# Altium PCB HIL_RIG_REV_1_2.PcbDoc (part 10 of 14)
Units mil, origin at the board's own origin, x right, y up, seen from the top; angles counter-clockwise.
Board outline 9845 x 7590 mil, 6 copper layers (Top Layer, Int1 (GND), Int2 (PWR), Int3 (Sign), Int4 (GND), Bottom Layer), stack 60.566 mil thick; 1465 components, 731 nets, 4058 pads, 3944 vias.
Unrouted connection lines stored in the file: 1754.
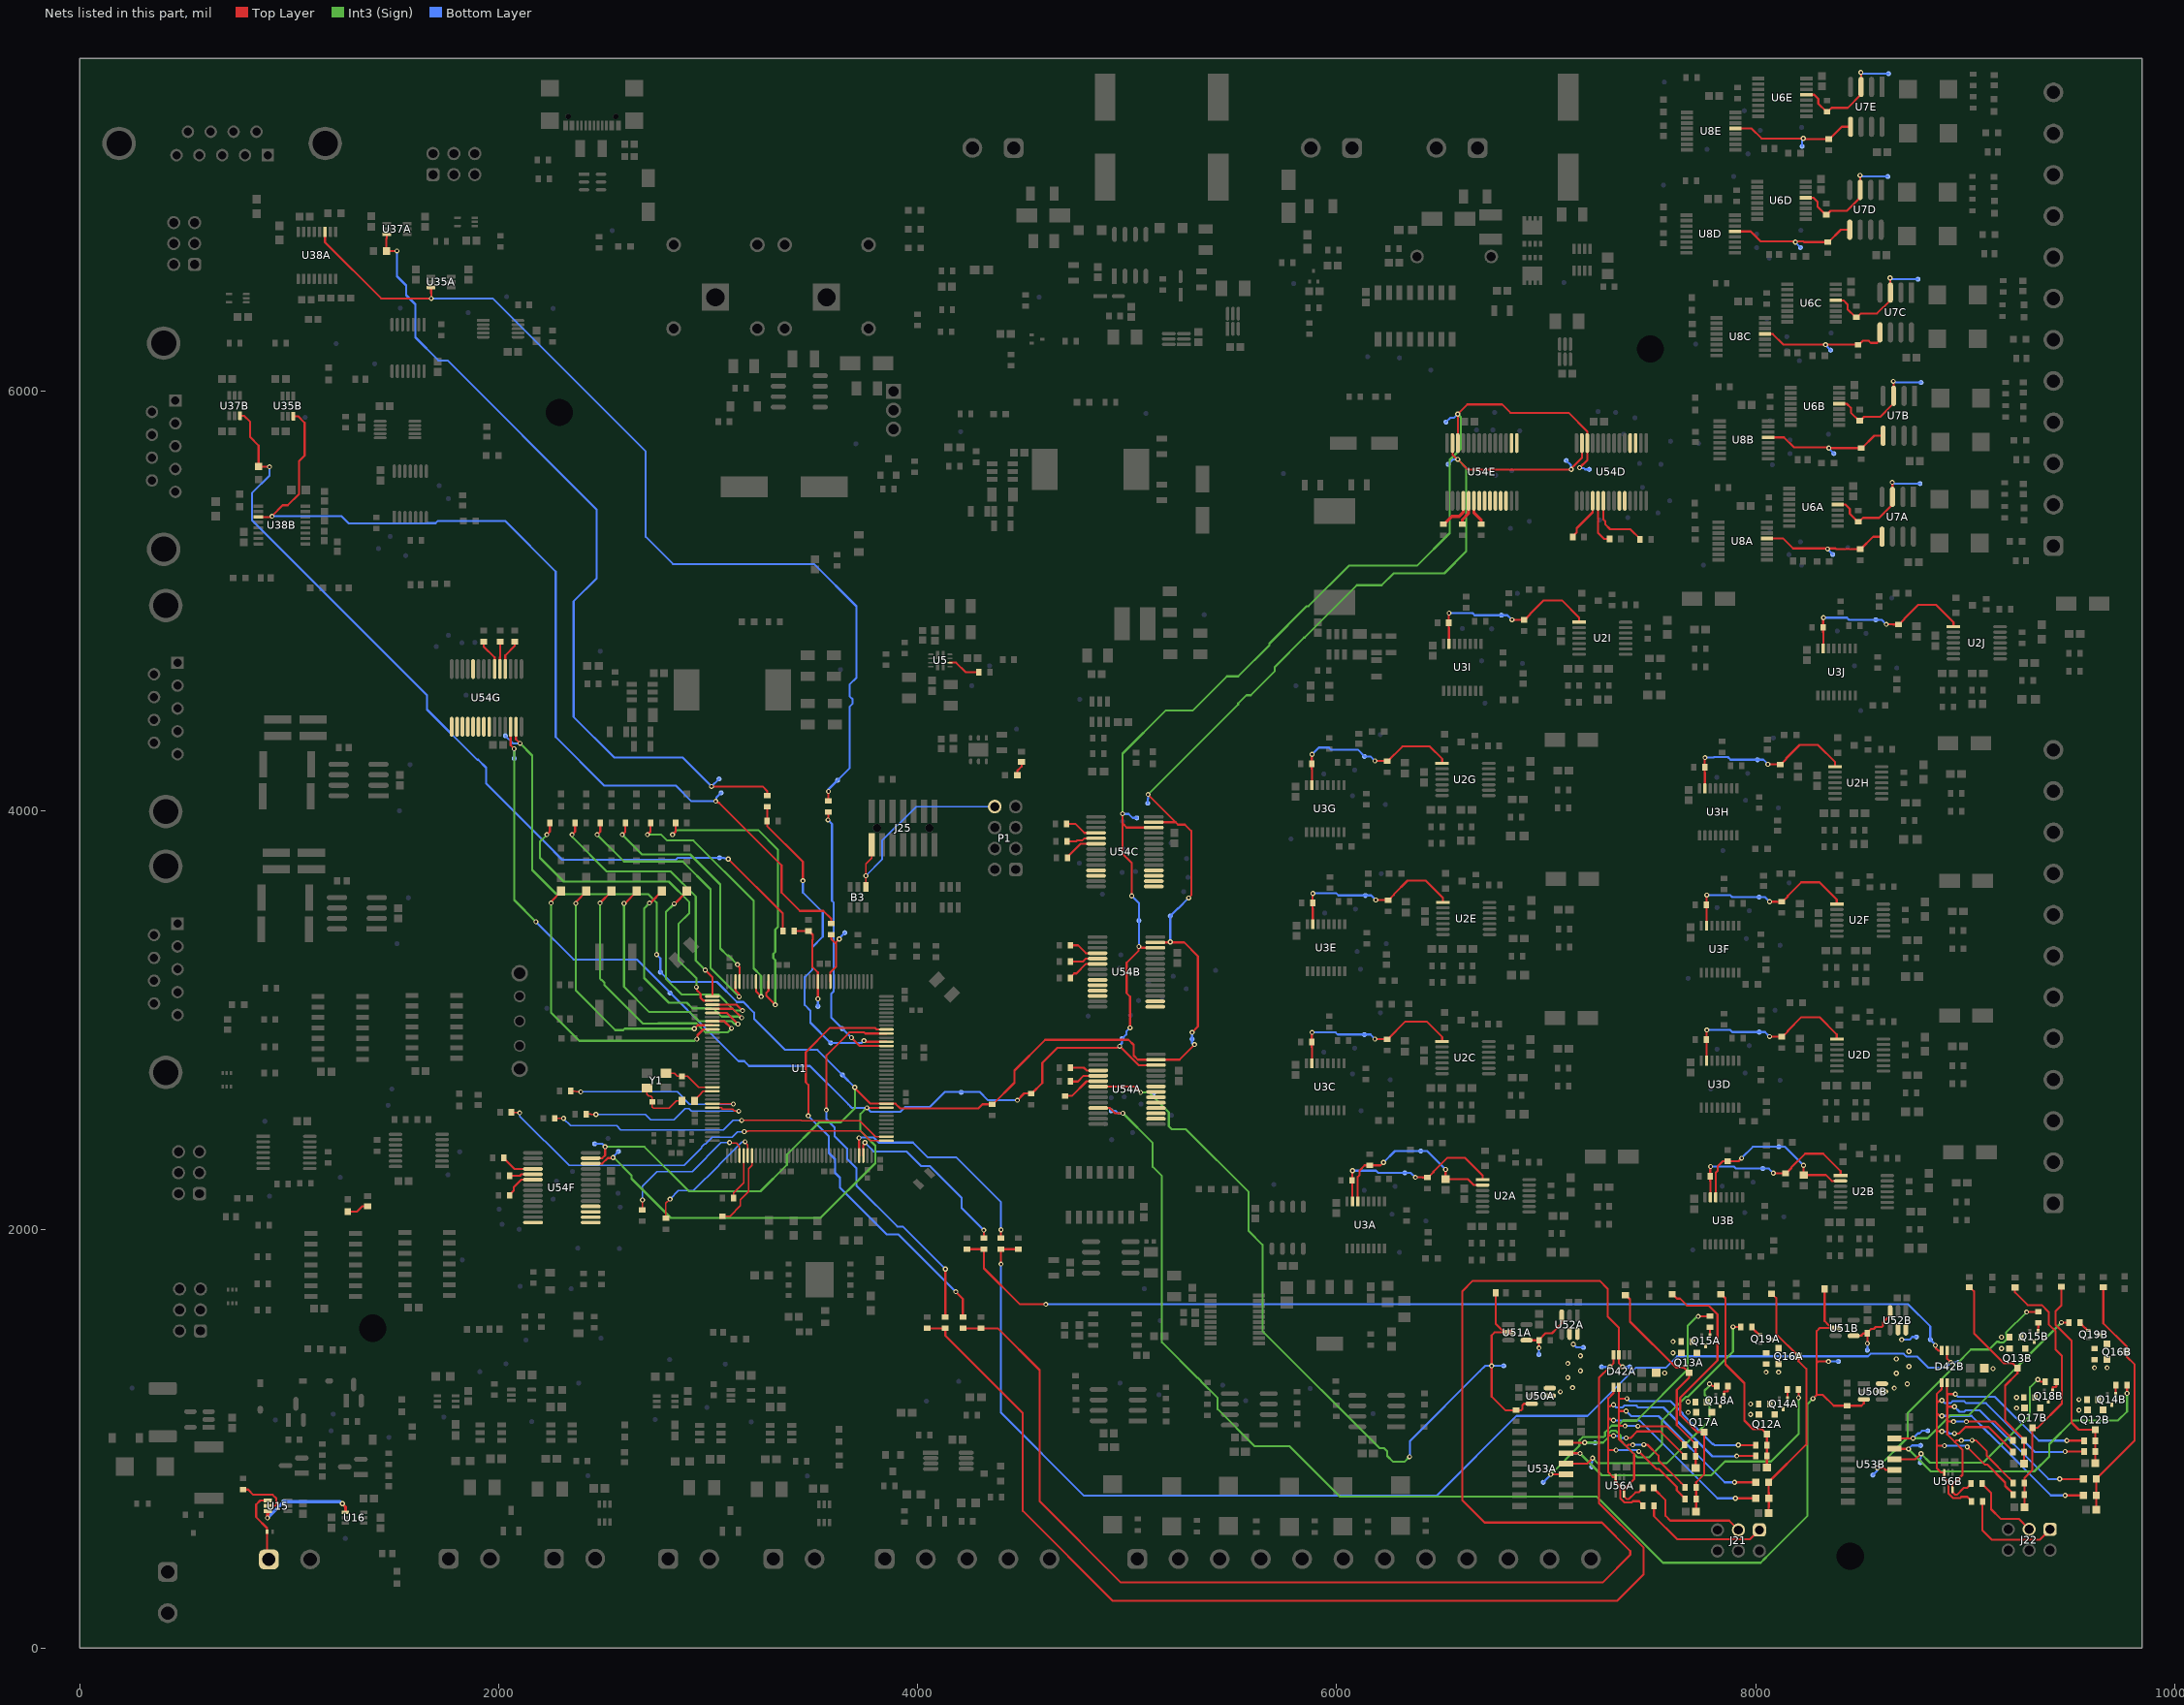
[diagram p14: the nets of this part, all layers, seen from the top]

## Via types
v1: diameter 24, hole 12, Top Layer to Bottom Layer, tented both sides, 3944 vias

## Nets (pads, with @x,y where several pads share a name; then routed paths per layer and width w, separated by ;. In a path a pad name is that pad's centre, name@x,y a point inside that pad or via, vN(x,y) a via of type N, cw(c..) or ccw(c..) an arc to the next point about the centre after c; other vN are vias at no path point) (continued)
GreenLEDAnodeD: D47D.2 R189D.2 | length 104.5
  Top Layer w10: D47D.2@1280,2084.47 1323.73,2084.47 1349.03,2109.77 R189D.2@1374,2109.77
HSE_OSC_IN: C18.1 U1.23 Y1.1 | length 249.3
  Top Layer w6: Y1.1@2798.34,2745.39 2839.24,2745.39 2853.83,2730.79 C18.1@2875.07,2730.79 2901.73,2730.79 2953.8,2678.72 U1.23@3020,2678.72
HSE_OSC_NEG: C19.1 R1.1 Y1.3 | length 266.6
  Top Layer w6: Y1.3@2707.79,2674.52 2707.79,2644.87 2715.61,2637.05 2725.35,2637.05 2733.16,2629.24 C19.1@2733.16,2608 2733.16,2583.86 2739.02,2578 2813.37,2578 2849.33,2613.95 R1.1@2875.54,2613.95
HSE_OSC_OUT: R1.2 U1.24 | length 106.4
  Top Layer w6: R1.2@2934.6,2613.95 2934.6,2617.89 2956,2639.29 2956.82,2639.29 2976.57,2659.04 U1.24@3020,2659.04
I2C_1K_BJT_BA: Q19A.1 R171A.1 | length 56.7
  Top Layer w10: R171A.1@7982,1534 7982,1530.98 8004.63,1508.35 8005.36,1508.35 8018.02,1495.68 Q19A.1@8021.02,1495.68
I2C_1K_BJT_BB: Q19B.1 R171B.1 | length 56.7
  Top Layer w10: R171B.1@9549.6,1555 9549.6,1551.98 9572.23,1529.35 9572.96,1529.35 9585.63,1516.68 Q19B.1@9588.62,1516.68
I2C_1K_PMOS_DA: C176A.2 Q16A.3 R174A.2 R175A.2 R179C.1 | length 1191.3
  Top Layer w10: C176A.2@8062,646 8062,672.7 8063.53,674.23 R175A.2@8063.53,716 8063.53,741.96 8062.58,742.9 R174A.2@8062.58,792 8062.58,793.05 8242,972.47 8242,1333.34 8204.49,1370.85 Q16A.3@8204.49,1394.6 8098.63,1500.46 8098.63,1671.65 8078.5,1691.77 R179C.1@8076,1691.77
I2C_1K_PMOS_DB: C176B.2 Q16B.3 R174B.2 R175B.2 R179G.1 | length 1199.8
  Top Layer w10: C176B.2@9626.61,662 9626.61,688.7 ; 9626.58,688.73 R175B.2@9626.58,730 R174B.2@9626.58,808 9626.58,809.05 9809.6,992.08 9809.6,1354.34 9772.09,1391.85 Q16B.3@9772.09,1415.6 9772.09,1439.35 9660,1551.44 R179G.1@9660,1724
I2C_1K_PMOS_GA: Q16A.1 Q19A.3 R168A.1
I2C_1K_PMOS_GB: Q16B.1 Q19B.3 R168B.1
I2C_2K2_BJT_BA: Q14A.1 R162A.1 | length 43.1
  Top Layer w10: Q14A.1@8151.68,1192.98 8151.68,1210.98 8152,1211.3 R162A.1@8152,1236
I2C_2K2_BJT_BB: Q14B.1 R162B.1 | length 43.1
  Top Layer w10: Q14B.1@9719.29,1213.98 9719.29,1231.98 9719.6,1232.3 R162B.1@9719.6,1257
I2C_2K2_PMOS_DA: C173A.2 Q12A.3 R164A.2 R165A.2 R179D.1 | length 945
  Top Layer w10: R179D.1@7834,1689.77 7836.5,1689.77 7856.37,1669.91 7856.37,1355.63 7946.82,1265.18 7946.82,1087.18 7988.25,1045.75 8030.25,1045.75 Q12A.3@8054,1022 R164A.2@8054,970 R165A.2@8054,918 C173A.2@8054,862
I2C_2K2_PMOS_DB: C173B.2 Q12B.3 R164B.2 R165B.2 R179H.1 | length 978.9
  Top Layer w10: R179H.1@9460,1725.77 9460,1637.4 9432.1,1609.51 9432.1,1543.61 9508,1467.71 9508,1078 9543,1043 Q12B.3@9621.6,1043 R164B.2@9621.6,991 R165B.2@9621.6,939 C173B.2@9621.6,883
I2C_2K2_PMOS_GA: Q12A.1 Q14A.3 R160A.1
I2C_2K2_PMOS_GB: Q12B.1 Q14B.3 R160B.1
I2C_4K7_BJT_BA: Q18A.1 R170A.1 | length 60.8
  Top Layer w10: Q18A.1@7850,1208 7850,1226 7865.99,1226 7868,1228.01 R170A.1@7868,1252
I2C_4K7_BJT_BB: Q18B.1 R170B.1 | length 60.8
  Top Layer w10: Q18B.1@9417.6,1229 9417.6,1247 9433.59,1247 9435.6,1249.01 R170B.1@9435.6,1273
I2C_4K7_PMOS_DA: C175A.2 Q17A.3 R172A.2 R173A.2 R179E.1 | length 1352.9
  Top Layer w10: R179E.1@7602,1689.54 7604.5,1689.54 7624.63,1669.42 7639.23,1669.42 7672.53,1636.11 7775.68,1636.11 7818,1593.79 7818,1374 7640,1196 7640,1114 7722,1032 Q17A.3@7754,1032 7754,829.99 7716,791.99 R172A.2@7716,768 R173A.2@7716,712 C175A.2@7716,652
I2C_4K7_PMOS_DB: C175B.2 Q17B.3 R172B.2 R173B.2 R179I.1 | length 1269.4
  Top Layer w10: R179I.1@9238,1721.77 9238,1699.3 9298.8,1638.5 9365.43,1638.5 9398.77,1605.16 9398.77,1547.25 9432.1,1513.91 9432.1,1426.61 9462.07,1396.64 9462.07,1168.07 9347,1053 Q17B.3@9321.6,1053 9321.6,850.99 9283.6,812.99 R172B.2@9283.6,789 R173B.2@9283.6,733 C175B.2@9283.6,673
I2C_4K7_PMOS_GA: Q17A.1 Q18A.3 R169A.1
I2C_4K7_PMOS_GB: Q17B.1 Q18B.3 R169B.1
I2C_10K_BJT_BA: Q15A.1 R163A.1 | length 39.3
  Top Layer w10: Q15A.1@7781.68,1492.98 7781.68,1510.98 7781.73,1511.03 7782,1511.03 R163A.1@7782,1532
I2C_10K_BJT_BB: Q15B.1 R163B.1 | length 39.3
  Top Layer w10: Q15B.1@9349.29,1513.98 9349.29,1531.98 9349.34,1532.03 9349.6,1532.03 R163B.1@9349.6,1553
I2C_10K_PMOS_DA: C174A.2 Q13A.3 R166A.1 R167A.1 R179F.1 | length 1037.3
  Top Layer w10: R179F.1@7378,1685.77 7380.5,1685.77 7400.63,1665.65 7400.63,1559.37 7620.74,1339.26 7658.85,1339.26 Q13A.3@7682.6,1315.51 7682.6,1291.76 7624,1233.17 7624,1065.02 7714,975.02 R167A.1@7714,916 C174A.2@7714,860
I2C_10K_PMOS_DB: C174B.2 Q13B.3 R166B.1 R167B.1 R179J.1 | length 1025
  Top Layer w10: R179J.1@9020,1723.77 9022.5,1723.77 9042.63,1703.65 9042.63,1503.37 9185.74,1360.26 9226.45,1360.26 Q13B.3@9250.2,1336.51 9250.2,1312.76 9191.6,1254.17 9191.6,1086.02 9281.6,996.02 R167B.1@9281.6,937 C174B.2@9281.6,881
I2C_10K_PMOS_GA: Q13A.1 Q15A.3 R161A.1
I2C_10K_PMOS_GB: Q13B.1 Q15B.3 R161B.1
I2C_DMUX_Y0A: R171A.2 TP83A.1 U53A.15 | length 1380.7
  Top Layer w10: U53A.15@7096,981 U53A.15@7095.22,981 7183,981 v1(7184,982) ; v1(7892,1534) R171A.2@7928.72,1534
  Int3 (Sign) w10: v1(7184,982) 7271.77,982 7297,1007.23 7297,1024.3 7311.65,1038.94 7332.36,1038.94 7357,1014.3 7357,989.96 7435.96,911 7492.36,911 7552.71,971.35 7552.71,1086.06 7667.64,1201 7677,1201 7892,1416 v1(7892,1534)
  Bottom Layer w10: v1(7184,982) 7212.19,982 7214.19,980 TP83A.1@7234,980
I2C_DMUX_Y0B: R171B.2 TP83B.1 U53B.15 | length 1148.3
  Top Layer w10: U53B.15@8662,1002 U53B.15@8662.82,1002 8750.6,1002 v1(8751.6,1003) ; v1(9459.6,1555) R171B.2@9496.32,1555
  Int3 (Sign) w10: v1(8751.6,1003) 8821,1003 8930,1112 9016.6,1112 v1(9459.6,1555)
  Bottom Layer w10: v1(8751.6,1003) 8774.6,1026 8782.46,1026 8794.46,1038 TP83B.1@8822,1038
I2C_DMUX_Y1A: R162A.2 TP80A.1 U53A.14 | length 1491.2
  Top Layer w10: U53A.14@7094,931 7161,931 v1(7162,930) ; v1(8205.28,1196) R162A.2@8205.28,1236
  Int3 (Sign) w10: v1(7162,930) 7266,826 7788,826 7854,892 8074,892 8205.28,1023.28 v1(8205.28,1196)
  Bottom Layer w10: TP80A.1@7120,930 v1(7162,930)
I2C_DMUX_Y1B: R162B.2 TP80B.1 U53B.14 | length 1499.5
  Top Layer w10: U53B.14@8662.82,952 8728.6,952 v1(8729.6,951) ; v1(9772.89,1217) R162B.2@9772.89,1257
  Int3 (Sign) w10: v1(8729.6,951) 8836.6,844 9330,844 9401.6,915.6 9401.6,973.6 9516,1088 9730.6,1088 9772.89,1130.28 v1(9772.89,1217)
  Bottom Layer w10: v1(8729.6,951) 8746.6,968 TP80B.1@8788,968
I2C_DMUX_Y2A: R170A.2 TP82A.1 U53A.13 | length 1069.5
  Top Layer w10: U53A.13@7094,881 7195,881 v1(7222,908) ; v1(7780,1262) 7783.75,1262 7793.75,1252 R170A.2@7814.72,1252
  Int3 (Sign) w10: v1(7222,908) 7247,883 7575,883 7780,1088 7780,1189.14 7774.14,1195 7771.64,1195 7757,1209.64 7757,1230.36 7777.32,1250.68 7777.32,1259.32 v1(7780,1262)
  Bottom Layer w10: TP82A.1@7218,866 7218,885.81 7220.19,888 7220.19,906.19 v1(7222,908)
I2C_DMUX_Y2B: R170B.2 TP82B.1 U53B.13 | length 1040.9
  Top Layer w10: U53B.13@8662.82,902 8762.6,902 v1(8789.6,929) ; v1(9347.6,1283) 9351.35,1283 9361.35,1273 R170B.2@9382.32,1273
  Int3 (Sign) w10: v1(8789.6,929) 8832.6,886 9086,886 9310,1110 9310,1245.4 v1(9347.6,1283)
  Bottom Layer w10: TP82B.1@8786,886 8786,905.81 8789.19,909 8789.19,928.59 v1(8789.6,929)
I2C_DMUX_Y3A: R163A.2 TP81A.1 U53A.12 | length 1346.9
  Top Layer w10: v1(7022,830) 7023,831 U53A.12@7095.22,831 ; v1(7726,1584) 7727.28,1585.28 R163A.2@7782,1585.28
  Int3 (Sign) w10: v1(7022,830) 7159,967 7159,992.36 7174.64,1008 7275.14,1008 7281,1013.86 7281,1030.92 7313.08,1063 7343.61,1063 7366.67,1086.06 7431.42,1086.06 7676,1330.64 7676,1540.1 7713.86,1577.96 7716.17,1577.96 7722.21,1584 v1(7726,1584)
  Bottom Layer w10: TP81A.1@6986,792 7022,828 v1(7022,830)
I2C_DMUX_Y3B: R163B.2 TP81B.1 U53B.12 | length 1300.2
  Top Layer w10: v1(8581.6,861) 8611.38,861 8620.38,852 U53B.12@8662.82,852 ; v1(9293.6,1605) 9294.89,1606.28 R163B.2@9349.6,1606.28
  Int3 (Sign) w10: v1(8581.6,861) 8726.6,1006 8726.6,1123.26 8957.22,1353.87 8957.22,1355.22 9028,1426 9114.6,1426 9151.78,1463.18 9160.07,1463.18 9163.25,1460 9183.96,1460 9198.6,1474.64 9198.6,1495.36 9195.42,1498.54 9195.42,1506.82 v1(9293.6,1605)
  Bottom Layer w10: TP81B.1@8559.6,827 8579.41,846.81 8579.41,858.81 v1(8581.6,861)
I2C_DUT_CH1.DUT_SCL: J21.3 R157A.2 | length 533.1
  Top Layer w10: R157A.2@7514,766 7514,762.98 7570,706.98 7570,632 7592.85,609.15 7873.5,609.15 J21.3@7918,564.65
I2C_DUT_CH1.DUT_SDA: J21.1 R159A.2 | length 616.2
  Top Layer w10: R159A.2@7515.28,680 7515.28,630.72 7625.84,520.16 7973.5,520.16 J21.1@8018,564.65
I2C_DUT_CH2.DUT_SCL: J22.3 R157B.2 | length 362.3
  Top Layer w10: R157B.2@9081.6,787 9081.6,783.98 9124,741.58 9124,664 9170,618 9256,618 J22.3@9306,568
I2C_DUT_CH2.DUT_SDA: J22.1 R159B.2 | length 500.4
  Top Layer w10: R159B.2@9082.89,701 9082.89,563.11 9128,518 9356,518 J22.1@9406,568
I2C_DUT_VCCA: Q12A.2 Q13A.2 Q16A.2 Q17A.2 R153A.1 R160A.2 R161A.2 R168A.2 R169A.2 TP76A.1 U50A.5 U50A.6 U52A.5 U52A.6 | length 54.6
  Bottom Layer w10: v1(7130,1452) 7146,1436 TP76A.1@7178,1436
  other v1: 7976,1116 7678,1126 7976,1166 7678,1176 7068,1224 7126,1244 7104,1292 7566,1314 8050,1318 8110,1318 7164,1324 7104,1360 7164,1396 7606,1410 7606,1464
I2C_DUT_VCCB: Q12B.2 Q13B.2 Q16B.2 Q17B.2 R153B.1 R160B.2 R161B.2 R168B.2 R169B.2 TP76B.1 U50B.5 U50B.6 U52B.5 U52B.6 | length 75.8
  Bottom Layer w10: v1(8697.6,1473) 8735.19,1473 8748.19,1486 TP76B.1@8768,1486
  other v1: 9543.6,1137 9245.6,1147 9543.6,1187 9245.6,1197 8662,1242 8724,1262 8671.6,1313 9133.6,1335 9617.6,1339 9677.6,1339 8731.6,1345 8671.6,1381 8731.6,1417 9173.6,1431 9173.6,1485
I2C_SCL2A: D42A.6 R157A.1 R164A.1 R166A.2 R172A.1 R174A.1 U56A.5 | length 2972.8
  Top Layer w10: 7346.82,1192 v1(7386,1192) ; D42A.6@7346.82,1246.46 7346.82,1191.52 7347,1191.34 7347,1132 ; v1(7377.03,1061.06) 7355.91,1061.06 7347,1069.97 ; v1(7382,1132) 7347,1132 ; v1(7414,971) 7391.39,971 7383.5,963.11 ; v1(7438,1059.97) 7575.77,1059.97 7660.72,975.02 R166A.2@7660.72,972 ; R157A.1@7460.72,766 7460.72,762.98 7442.09,744.36 7426.36,744.36 7393.72,711.72 7385.44,711.72 7371.68,725.48 U56A.5@7371.68,735.32 7371.68,759.07 7420,807.39 7420,926.61 7383.5,963.11 ; v1(7466,972) 7466.09,971.91 7484.09,971.91 7536.34,919.66 7536.34,897.66 7644.09,789.91 7644.09,789.64 7662.72,771.02 R172A.1@7662.72,768 ; v1(7900,792) R174A.1@8001.42,792 ; v1(7918,970) R164A.1@8000.72,970 ; 7347,1069.97 7347,999.61 7383.5,963.11 ; 7347,1069.97 7347,1132
  Bottom Layer w10: v1(7377.03,1061.06) 7377.09,1061 7436.97,1061 v1(7438,1059.97) ; v1(7382,1132) 7406,1108 7536.63,1108 7852.63,792 v1(7900,792) ; v1(7386,1192) 7386.86,1192 7398.86,1180 7594,1180 7653,1121 7653,1115.64 7793.64,975 7799,975 7804,970 v1(7918,970) ; v1(7414,971) 7414.5,971.5 7465.5,971.5 v1(7466,972)
I2C_SCL2B: D42B.6 R157B.1 R164B.1 R166B.2 R172B.1 R174B.1 U56B.5 | length 2973.9
  Top Layer w10: 8914.42,1213 v1(8953.6,1213) ; D42B.6@8914.42,1267.46 8914.42,1212.52 8914.6,1212.34 8914.6,1153 ; v1(8944.63,1082.06) 8923.51,1082.06 8914.6,1090.97 ; v1(8949.6,1153) 8914.6,1153 ; v1(8981.6,992) 8958.99,992 8951.1,984.11 ; v1(9006,1082) 9142.34,1082 9228.32,996.02 R166B.2@9228.32,993 ; R157B.1@9028.32,787 9028.32,783.98 9009.7,765.36 8993.96,765.36 8961.33,732.72 8953.04,732.72 8939.29,746.48 U56B.5@8939.29,756.32 8939.29,780.07 8987.6,828.39 8987.6,947.61 8951.1,984.11 ; v1(9033.6,993) 9033.7,992.91 9051.7,992.91 9103.94,940.66 9103.94,918.66 9211.7,810.91 9211.7,810.64 9230.32,792.02 R172B.1@9230.32,789 ; v1(9452,808) R174B.1@9565.42,808 ; v1(9485.6,991) R164B.1@9568.32,991 ; 8914.6,1090.97 8914.6,1020.61 8951.1,984.11 ; 8914.6,1090.97 8914.6,1153
  Bottom Layer w10: v1@8944.66,1082.03 v1(9006,1082) ; v1(8949.6,1153) 8973.6,1129 8996.36,1129 9003.36,1136 9070,1136 9398,808 v1(9452,808) ; v1(8953.6,1213) 8954.46,1213 8966.46,1201 9141.6,1201 9351.6,991 v1(9485.6,991) ; v1(8981.6,992) 8982.1,992.5 9033.1,992.5 v1(9033.6,993)
I2C_SCL_CH1: R156.2 U1.100 | length 2044.8
  Top Layer w10: v1(3478,2542) 3478,2689.89 3466,2701.89 3466,2846 3582,2962 3796,2962 3803.69,2954.31 U1.100@3850.71,2954.31 ; v1(4182,1702) 4216,1668 R156.2@4216,1580.64
  Bottom Layer w10: v1(3478,2542) 3576,2444 3576,2364 3606,2334 3606,2269.36 3629,2246.36 3629,2199 3852.16,1975.84 3908.16,1975.84 v1(4182,1702)
I2C_SCL_CH2: R207.2 U1.69 | length 1063
  Top Layer w10: v1(3720,2436) 3720.79,2435.21 U1.69@3720.79,2351.95 ; R207.2@4398,1958.64 v1(4398,1998)
  Bottom Layer w10: v1(3720,2436) 3721.77,2437.77 3736.41,2437.77 3737.64,2439 3789,2439 3814,2414 3977.27,2414 4047.27,2344 4184,2344 4398,2130 v1(4398,1998)
I2C_SDA2A: D42A.5 R159A.1 R165A.1 R167A.2 R173A.1 R175A.1 U56A.3 | length 3289.1
  Top Layer w10: D42A.5@7321.23,1246.46 7321.23,1216.8 7297,1192.58 7297,1154.97 ; v1(7322,1013.94) 7319.94,1016 7302,1016 7297,1021 ; v1(7322,1088) 7319.32,1090.68 7309.29,1090.68 7305,1094.97 7297,1094.97 ; v1(7322,1162) 7319.32,1159.32 7309.35,1159.32 7305,1154.97 7297,1154.97 ; v1(7334,946) 7299,946 7297,948 ; v1(7382,1004) 7403.36,1004 7434.32,1034.97 7544.77,1034.97 7660.72,919.02 R167A.2@7660.72,916 ; v1(7442.58,939.73) 7442.58,939.39 7525.87,856.1 7537.9,856.1 7624,770 7624,753.74 7662.72,715.02 R173A.1@7662.72,712 ; R159A.1@7462,680 7462,683.02 7443.38,701.64 7414.05,701.64 7408.14,695.72 7375.21,695.72 7353.76,717.17 7353.76,772.8 7332.31,794.25 U56A.3@7332.31,818 7318.41,818 7297,839.41 7297,948 ; v1(7904,716) R175A.1@8001.42,716 ; v1(7910,918) R165A.1@8000.72,918 ; 7297,948 7297,1021 ; 7297,1021 7297,1094.97 ; 7297,1094.97 7297,1154.97
  Bottom Layer w10: v1(7322,1013.94) 7322.97,1012.97 7350,1012.97 7358.97,1004 v1(7382,1004) ; v1(7322,1088) 7446,1088 7818,716 v1(7904,716) ; v1(7322,1162) 7322.86,1162 7334.86,1150 7364.64,1150 7373.64,1159 7430.36,1159 7439.36,1150 7560,1150 7794,916 7908,916 v1(7910,918) ; v1(7334,946) 7432.53,946 7438.79,939.73 v1(7442.58,939.73)
I2C_SDA2B: D42B.5 R159B.1 R165B.1 R167B.2 R173B.1 R175B.1 U56B.3 | length 3290.2
  Top Layer w10: D42B.5@8888.83,1267.46 8888.83,1237.8 8864.6,1213.58 8864.6,1175.97 ; v1(8889.6,1034.94) 8887.55,1037 8869.6,1037 8864.6,1042 ; v1(8889.6,1109) 8886.92,1111.68 8876.89,1111.68 8872.6,1115.97 8864.6,1115.97 ; v1(8889.6,1183) 8886.93,1180.32 8876.96,1180.32 8872.6,1175.97 8864.6,1175.97 ; v1(8901.6,967) 8866.6,967 8864.6,969 ; v1(8949.6,1025) 8970.96,1025 9001.93,1055.97 9112.37,1055.97 9228.32,940.02 R167B.2@9228.32,937 ; v1(9010.19,960.73) 9010.19,960.39 9093.48,877.1 9105.51,877.1 9191.6,791 9191.6,774.74 9230.32,736.02 R173B.1@9230.32,733 ; R159B.1@9029.6,701 9029.6,704.02 9010.98,722.64 8981.66,722.64 8975.74,716.72 8942.82,716.72 8921.37,738.17 8921.37,793.8 8899.92,815.25 U56B.3@8899.92,839 8886.01,839 8864.6,860.41 8864.6,969 ; v1(9477.53,730) R175B.1@9566.47,730 ; v1(9477.6,939) R165B.1@9568.32,939 ; 8864.6,969 8864.6,1042 ; 8864.6,1042 8864.6,1115.97 ; 8864.6,1115.97 8864.6,1175.97
  Bottom Layer w10: v1(8889.6,1034.94) 8890.57,1033.97 8917.6,1033.97 8926.57,1025 v1(8949.6,1025) ; v1(8889.6,1109) 9031,1109 9115,1025 9116.36,1025 9131,1010.36 9131,1009 9410,730 v1(9477.53,730) ; v1(8889.6,1183) 8902.6,1170 8931.25,1170 8940.25,1179 8996.36,1179 9005.35,1170 9100,1170 9333,937 9475.6,937 v1(9477.6,939) ; v1(8901.6,967) 9000.13,967 9006.4,960.73 v1(9010.19,960.73)
I2C_SDA_CH1: R158.2 U1.99 | length 1834.6
  Top Layer w10: v1(3564,2570) 3565,2571 3565,2831.36 3673.64,2940 3744.48,2940 3749.85,2934.63 U1.99@3850.71,2934.63 ; R158.2@4132,1580.64 v1(4132,1810)
  Bottom Layer w10: v1(3564,2570) 3564,2525.99 3604,2485.99 3604,2444.12 3664,2384.12 3664,2336 3708,2292 3708,2208 3902.66,2013.34 3928.66,2013.34 v1(4132,1810)
I2C_SDA_CH2: R208.2 U1.70 | length 871.8
  Top Layer w10: U1.70@3740.47,2351.95 3740.47,2402.68 3748,2410.21 v1(3748,2414) ; R208.2@4316,1958.64 v1(4316,1996)
  Bottom Layer w10: v1(3748,2414) 3790,2372 3946,2372 4016,2302 4058,2302 4209.84,2150.16 4209.84,2102.16 v1(4316,1996)
I2C_V_SELECT_CH1: R151A.2 R180AO.1 TP75A.1 TP84A.1 U50A.3 U51A.2 U54A.21 | length 4222.5
  Top Layer w10: U54A.21@4862,2681.61 5035.39,2681.61 v1(5064,2653) ; R180AO.1@6759.58,1696.37 6759.58,1549.25 6787.33,1521.5 6788.01,1521.5 6801.63,1507.88 U51A.2@6820,1507.88 6753.88,1507.88 6740,1494 v1(6740,1348) 6740,1202 6805.4,1136.6 R151A.2@6857.35,1136.6 6881.33,1136.6 6887.53,1142.79 6887.53,1161 6893.72,1167.2 U50A.3@6931.35,1167.2
  Int3 (Sign) w10: v1(5064,2653) 5105,2653 5199,2559 5199,2491.64 5213.64,2477 5281,2477 5580,2178 5580,1992 5646,1926 5646,1514 6205,955 6226.96,955 6241.61,940.36 6241.61,918.39 6270,890 6324,890 v1(6348,914)
  Bottom Layer w10: v1(5064,2653) 5107.19,2653 5108.19,2652 TP84A.1@5128,2652 ; v1(6348,914) 6350.68,916.68 6350.68,990.03 6684.33,1323.67 ; 6684,1324 6684.33,1323.67 ; TP75A.1@6798,1348 v1(6740,1348) 6708.65,1348 6684.33,1323.67
I2C_V_SELECT_CH2: R151B.2 R180AP.1 TP75B.1 TP88A.1 U50B.3 U51B.2 U54A.25 | length 6596.4
  Top Layer w10: U54A.25@4862,2579.25 4917.24,2579.25 4942.49,2554 v1(4980,2554) ; v1(8274,1192) 8292,1210 ; R180AP.1@8329.54,1716 8329.54,1562.1 8349.14,1542.5 8349.82,1542.5 8363.44,1528.88 U51B.2@8381.81,1528.88 8306.88,1528.88 8292,1514 8292,1362 ; v1(8347.6,1369) 8299,1369 8292,1362 ; U50B.3@8516.67,1188.2 8516.67,1168.98 8505.69,1158 8472.8,1158 8472.4,1157.6 R151B.2@8436.76,1157.6 8373.01,1157.6 8320.6,1210 8292,1210 ; 8292,1210 8292,1362
  Int3 (Sign) w10: v1(4980,2554) 5122,2412 5122,2298 5166,2254 5166,1460.64 5335.64,1291 5338.36,1291 5353,1276.36 5353,1273.64 5432,1194.64 5432,1141.25 5608.25,965 5775,965 6016,724 7242,724 7558,408 8024,408 8046.4,430.4 ccw(c8018,464.65) 8049.51,433.24 8248,631.97 8248,1166 v1(8274,1192)
  Bottom Layer w10: TP88A.1@4924,2566 4943.81,2566 4955.81,2554 v1(4980,2554) ; v1(8347.6,1369) TP75B.1@8395.6,1369
I2C_V_SELECTA_N: R152A.2 TP77A.1 U51A.4 U52A.3 | length 306
  Top Layer w10: U51A.4@6906.65,1470.48 6944.28,1470.48 6944.76,1470 R152A.2@6966,1470 v1(6966,1434) ; R152A.2@6966,1473.02 6996.98,1504 7028,1504 7052.38,1528.38 7052.38,1528.96 7065.4,1541.98 7065.98,1541.98 7074.6,1550.6 U52A.3@7074.6,1588
  Bottom Layer w10: TP77A.1@6966,1402 v1(6966,1434)
I2C_V_SELECTB_N: R152B.2 TP77B.1 U51B.4 U52B.3 | length 324.3
  Top Layer w10: U51B.4@8468.46,1491.48 8506.09,1491.48 8506.78,1492.17 8506.78,1496.95 8512.64,1502.81 R152B.2@8533.6,1502.81 v1(8533.6,1455) ; R152B.2@8533.6,1505.83 8552.23,1524.45 8564.02,1524.45 8573.57,1534 8602.14,1534 8608,1539.86 8608,1556.38 8642.2,1590.59 U52B.3@8642.2,1609
  Bottom Layer w10: TP77B.1@8533.6,1423 v1(8533.6,1455)
ILIM: R30.2 U5.10 | length 157.6
  Top Layer w10: U5.10@4153.49,4705.41 4183.06,4705.41 4228.22,4660.25 R30.2@4292.4,4660.25
IOex_GPA0E: U54E.21
IOex_GPA1E: U54E.22
IOex_GPA2B: U54B.23
IOex_GPA2D: U54D.23
IOex_GPA2E: U54E.23
IOex_GPA3B: U54B.24
IOex_GPA3D: U54D.24
IOex_GPA3E: U54E.24
IOex_GPA3G: U54G.24
IOex_GPA4B: U54B.25
IOex_GPA4C: U54C.25
IOex_GPA4E: U54E.25
IOex_GPA5B: U54B.26
IOex_GPA5C: U54C.26
IOex_GPA5E: U54E.26
IOex_GPA7F: U54F.28
IOex_GPB0B: U54B.1
IOex_GPB0C: U54C.1
IOex_GPB0E: U54E.1
IOex_GPB0F: U54F.1
IOex_GPB0G: U54G.1
IOex_GPB1A: U54A.2
IOex_GPB1B: U54B.2
IOex_GPB1C: U54C.2
IOex_GPB1E: U54E.2
IOex_GPB1F: U54F.2
IOex_GPB1G: U54G.2
IOex_GPB2A: U54A.3
IOex_GPB2C: U54C.3
IOex_GPB2D: U54D.3
IOex_GPB2F: U54F.3
IOex_GPB2G: U54G.3
IOex_GPB3A: U54A.4
IOex_GPB3C: U54C.4
IOex_GPB3D: U54D.4
IOex_GPB3F: U54F.4
IOex_GPB3G: U54G.4
IOex_GPB4A: U54A.5
IOex_GPB4G: U54G.5
IOex_GPB5A: U54A.6
IOex_GPB5G: U54G.6
IOex_GPB6A: U54A.7
IOex_GPB6G: U54G.7
IOex_GPB7A: U54A.8
IOex_GPB7G: U54G.8
IOex_INTAA: R177A.2 U54A.20 | length 187.2
  Top Layer w10: R177A.2@4704,2636.64 4736.2,2636.64 4806.76,2707.2 U54A.20@4862,2707.2
IOex_INTAB: R177B.2 U54B.20 | length 159.7
  Top Layer w10: R177B.2@4728.64,3200 4728.64,3203.02 4747.27,3221.64 4757.96,3221.64 4803.51,3267.2 U54B.20@4858.76,3267.2
IOex_INTAC: R177C.2 U54C.20 | length 166.4
  Top Layer w10: R177C.2@4714.64,3774 4714.64,3777.02 4778.82,3841.2 U54C.20@4851.41,3841.2
IOex_INTAD: R177D.2 U54D.20 | length 312.6
  Top Layer w10: U54D.20@7273.28,5478 7273.28,5389.37 7281.83,5380.82 7281.83,5366.17 7305.54,5342.46 7401.91,5342.46 7447.36,5297.02 R177D.2@7447.36,5294
IOex_INTAE: R177E.2 U54E.20 | length 125.7
  Top Layer w15: U54E.20@6655.28,5478 6655.28,5422.33 6690,5387.61 R177E.2@6690,5366.64
IOex_INTAF: R177F.2 U54F.20 | length 153.6
  Top Layer w10: R177F.2@2052.64,2162 2052.64,2165.02 2071.27,2183.64 2071.27,2199.95 2108.51,2237.2 U54F.20@2163.76,2237.2
IOex_INTAG: R177G.2 U54G.20 | length 152.3
  Top Layer w10: R177G.2@1928,4805.36 1928,4782.43 1980.39,4730.04 U54G.20@1980.39,4674.8